# KiCad board Turbo_XT_Mainboard R3.kicad_pcb (continued)
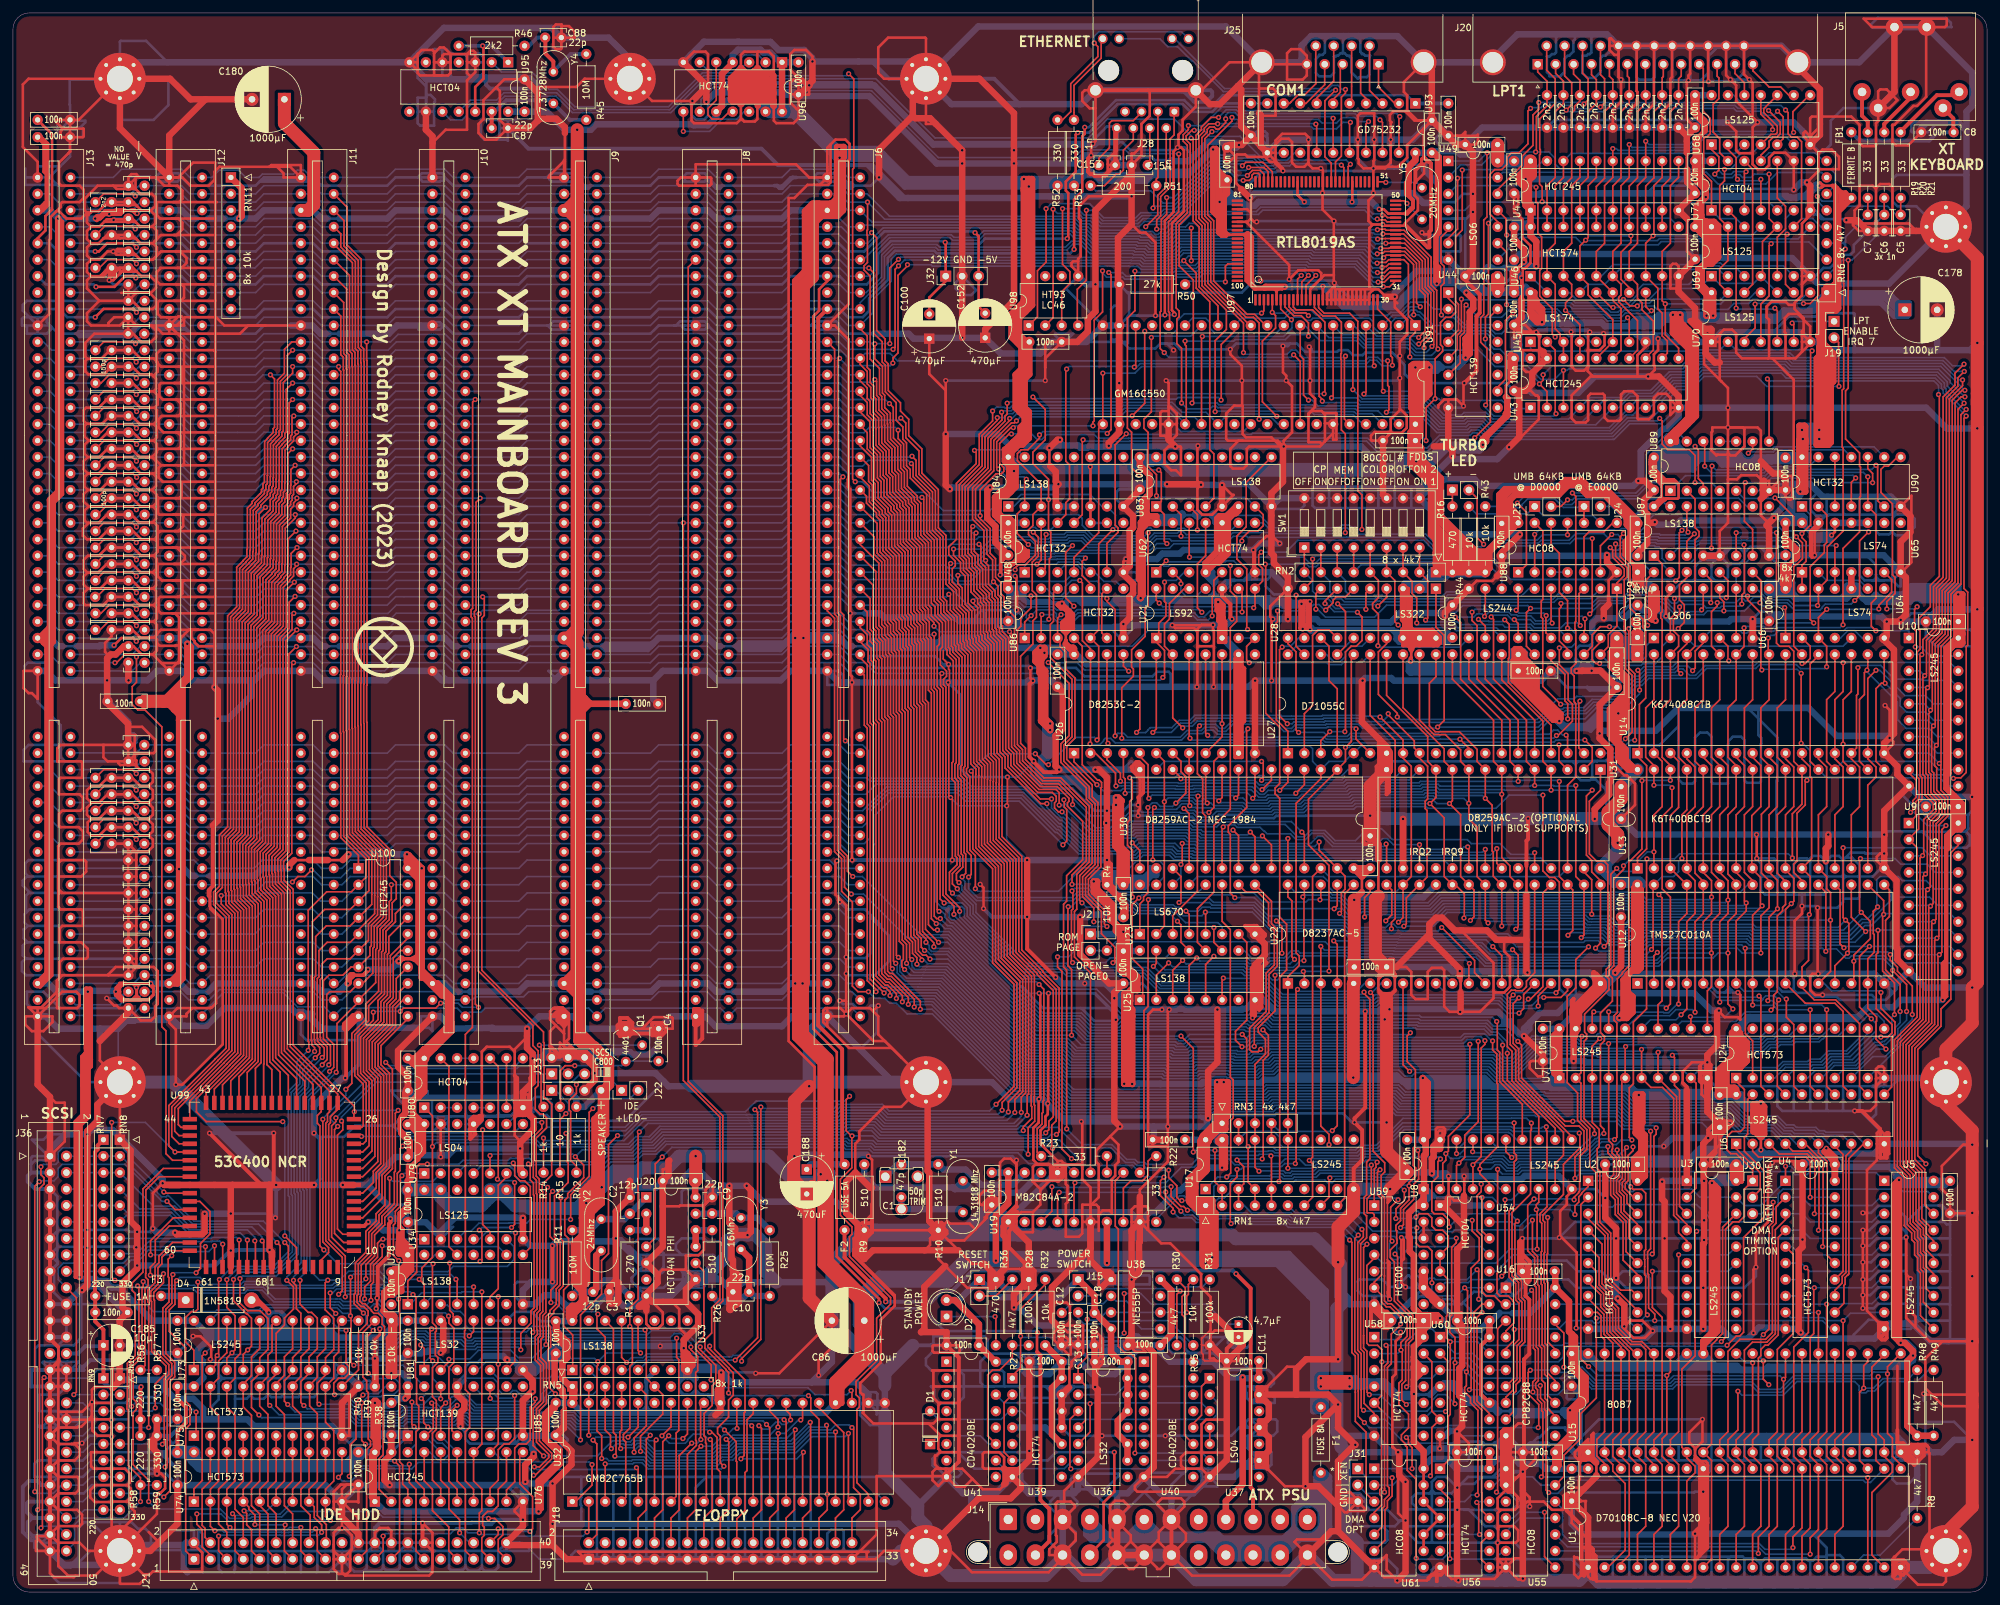
[diagram p0: board, top side]
## Routing (per net, layer and track width the routed paths; a pad name or vN(x,y) marks a point on that pad's centre or on a via; arc(x,y) is an arc through that point) (continued)
173.74,197.1 ; 172.15,195.52 172.15,192.86 171.97,193.04 170.56,193.04 ; 172.15,195.52 171.89,195.52 171.83,195.58 170.81,195.58 ; 241.3,127.76 240.92,128.14 240.92,128.27 ; 241.3,127.76 241.3,128.27 ; 241.3,127.76 241.3,126.11 242.06,125.35 243.46,125.35 243.84,125.73 ; 241.3,127.76 241.3,127.89 241.68,128.27 ; 7,6.24 7,3.92 7.11,3.81 8.89,3.81 10.16,5.08 10.16,7.75 ; 7,6.24 7,7.35 ; 102.11,195.58 102.36,195.58 103,196.22 106.81,196.22 107.31,195.71 ; 102.11,195.58 99.69,195.58 98.42,194.31 88.26,194.31 86.99,195.58 J9.10 82.93,195.58 ; 102.11,195.58 103.76,195.58 ; 264.82,93.11 264.92,93.01 264.92,92.58 ; 172.34,197.1 172.34,200.41 172.02,200.73 ; 172.34,197.1 170.81,195.58 ; 172.34,197.1 173.74,197.1 ; 218.88,45.59 218.83,45.65 ; 218.83,45.65 217.87,45.65 ; v1(247.14,126.75) 247.14,127.63 246.44,128.34 245.94,128.34 ; 280.03,5.71 280.03,6.86 277.88,9.02 275.08,9.02 ; 280.03,5.71 282.07,5.71 282.57,5.21 282.57,2.29 281.56,1.27 ; 280.03,5.71 280.03,5.33 ; 50.91,6.33 52.22,6.33 ; 50.91,6.33 49.51,6.33 ; 50.91,6.33 50.8,6.22 J21.19 ; 52.22,6.33 65.13,6.33 65.15,6.35 ; 52.22,6.33 52.22,7.47 ; 178.44,38.74 179.07,39.37 ; 178.44,38.74 178.44,39.37 ; 178.44,38.74 178.44,37.46 179,36.9 183.58,36.9 R31.1 ; 178.44,38.74 177.8,39.37 177.29,39.37 ; 179.07,39.37 178.44,39.37 ; 107.7,233.17 107.19,232.66 107.19,232.58 ; 170.81,195.58 170.81,193.8 170.43,193.42 169.54,193.42 169.54,198.12 170.05,198.63 170.43,198.63 170.81,198.25 170.81,195.58 ; v1(283.08,211.84) 282.9,212.02 279.6,212.02 ; 95.67,83 94.86,83.82 88.14,83.82 ; 290.13,92.39 290.83,93.09 290.83,93.98 U9.10 ; 290.13,92.39 290.13,92.77 U12.16 ; 111.76,17.78 110.62,17.78 ; 111.76,17.78 102.87,17.78 ; 111.76,17.78 112.9,17.78 ; 110.62,17.78 107.95,17.78 ; 110.62,17.78 110.47,17.63 110.47,5.44 110.11,5.08 ; 252.06,194.34 252.06,193.07 U45.8 ; 252.06,194.34 250.79,194.34 U45.8 ; 252.06,194.34 255.24,194.34 255.65,193.93 255.65,193.04 ; 287.65,157.1 287.65,156.59 ; 287.65,157.1 287.65,158.62 286.18,160.1 285.16,160.1 285.12,160.05 285.12,156.97 285.88,156.21 287.02,156.21 ; 287.65,157.1 287.65,156.72 287.85,156.53 ; 287.65,156.59 287.65,156.34 ; 287.65,156.59 287.27,156.21 287.02,156.21 ; C18.2 167.64,38.74 168.02,38.74 ; C18.2 170.69,38.1 ; 280.19,169.14 280.03,168.99 280.03,166.37 ; 203.2,170.69 205.74,170.69 ; 203.2,170.69 200.66,170.69 200.66,167.77 201.04,167.39 203.07,167.39 ; 203.2,170.69 203.2,167.51 203.07,167.39 ; 205.74,170.69 208.28,170.69 ; 205.74,170.69 205.74,167.51 205.61,167.39 ; 49.51,6.33 49.51,5.1 ; 46.86,3.05 48.77,3.05 49.4,3.68 ; 46.86,3.05 47.01,3.19 47.01,6.33 ; 46.86,3.05 44.45,3.05 ; 16.38,233.55 8.76,233.55 8.76,229.71 8.81,229.66 C151.2 ; 16.38,233.55 16.38,227.33 21.72,227.33 24,229.62 24,233.68 H1.1 ; 16.38,233.55 H1.1 ; U89.7 272.16,171.07 274.57,171.07 274.63,171.13 ; J36.1 5.59,67.31 4.95,66.68 3.43,66.68 2.79,66.04 ; J36.1 3.05,67.31 2.79,67.06 2.79,66.04 ; J36.1 5.46,67.31 2.92,69.85 4.7,69.85 5.53,70.68 9.2,70.68 ; 66.42,195.58 65.91,196.09 64.9,196.09 64.77,195.96 J10.10 66.42,195.58 ; 66.42,195.58 66.42,195.45 65.91,194.94 62.61,194.94 62.99,195.33 62.99,195.58 ; 66.42,195.58 66.67,195.58 67.94,194.31 78.1,194.31 79.38,195.58 82.55,195.58 ; 287.53,156.21 287.85,156.53 ; 287.53,156.21 287.02,156.21 ; 287.53,156.21 287.65,156.34 ; 287.85,156.53 288.16,156.21 ; 57.15,4.19 57.15,3.81 57.53,3.43 59.44,3.43 59.71,3.7 59.71,6.33 60.96,7.58 J21.28 ; 57.15,4.19 57.15,3.68 56.77,3.3 54.48,3.3 54.36,3.43 ; 57.15,4.19 57.15,6.35 J21.24 ; 156.08,31.75 155.83,31.5 155.83,29.97 161.04,29.97 ; 156.08,31.75 159.38,31.75 ; 156.08,31.75 153.16,31.75 ; 105.54,46.99 105.41,47.12 U20.9 ; 105.54,46.99 106.55,46.99 106.81,47.24 106.81,48.26 ; 105.54,46.99 104.14,46.99 ; 98.04,5.08 97.79,5.33 97.79,17.78 ; C147.2 C106.1 ; 170.69,38.1 170.43,38.1 168.02,35.69 ; 170.69,38.1 C16.2 ; 52.13,3.75 51.94,3.94 51.94,5.46 ; 52.13,3.75 52.7,3.18 54.1,3.18 54.36,3.43 ; 52.13,3.75 J21.19 ; 172.72,221.49 174.12,221.49 174.17,221.55 ; 172.72,221.49 C154.1 173.92,221.55 174.17,221.55 ; v1(210.19,224.28) 210.19,219.96 v1(210.06,219.84) ; U7.10 262.89,78.1 272.54,78.1 ; 173.44,39.37 174.12,39.37 ; 107.31,30.48 106.55,30.48 ; 107.31,30.48 107.31,30.35 107.88,29.79 107.88,29.53 108.2,29.21 U32.31 109.22,29.72 108.46,30.48 107.31,30.48 ; 106.55,30.48 106.3,30.48 ; 96.39,49.4 95.76,50.04 95.25,50.04 95.25,52.07 97.92,52.07 ; 96.39,49.4 95.5,48.51 95.5,48.01 96.65,46.86 ; 96.39,49.4 96.58,49.59 ; 118.11,17.78 115.57,17.78 ; 118.11,17.78 118.11,5.08 ; 118.11,17.78 120.65,17.78 ; 115.57,17.78 112.9,17.78 ; 190.63,19.05 192.4,19.05 ; C97.2 160.91,194.06 160.91,194.31 163.7,194.31 162.81,193.42 162.81,193.04 ; 161.99,36.76 158.13,36.76 C14.2 ; 161.99,36.76 161.93,36.83 C12.2 ; 161.99,36.76 164.27,36.76 ; C99.2 191.34,224.87 191.9,225.43 192.02,225.3 192.02,225.04 193.68,223.39 ; C99.2 191.13,224.79 ; 103.76,218.44 J8.1 107.31,218.44 108.58,217.17 118.75,217.17 120.01,218.44 123.57,218.44 ; 103.76,218.44 103.38,218.44 ; 103.76,218.44 103.76,217.93 103.63,217.81 106.81,217.81 107.06,218.06 107.06,218.82 106.81,219.07 104.01,219.07 103.38,218.44 ; 102.87,17.78 102.87,5.21 102.74,5.08 ; 102.87,17.78 100.33,17.78 ; v1(192.02,211.58) 192.15,211.71 v1(203.96,211.71) 204.46,211.21 211.45,211.21 v1(211.49,211.17) ; 23.26,32.79 23.26,31.14 22.22,30.1 18.29,30.1 17.4,29.21 12.32,29.21 v1(12.19,29.34) ; 24.7,22.92 23.75,21.97 23.75,20.7 25.4,19.05 25.4,16.59 ; 24.7,22.92 25.4,23.62 C177.2 24.97,26.75 23.49,25.27 22.22,25.27 ; 24.7,22.92 23.49,24.13 ; U15.1 244.47,20.32 244.86,20.32 ; U15.1 239.65,25.15 239.65,25.4 237.24,25.4 235.71,23.88 235.41,23.88 C64.2 ; 72.71,73.46 75.88,73.46 ; 72.71,73.46 72.39,73.14 72.39,72.64 71.12,71.37 71.12,71.12 ; C16.2 171.7,38.1 171.07,38.74 ; C16.2 172.85,38.1 174.12,39.37 ; C16.2 172.16,38.69 172.59,39.12 ; C16.2 169.84,35.77 ; 244.86,20.32 244.35,20.83 244.35,22.23 243.84,22.73 ; 96.65,46.86 U20.7 99.44,47.37 99.44,49.15 100.46,50.17 ; 96.65,46.86 96.65,45.08 96.9,44.83 ; 96.65,46.86 96.77,46.99 100.46,46.99 101.73,48.26 U20.9 ; 193.68,223.39 193.68,222.25 ; U87.8 269.88,161.29 270,161.42 272.41,161.42 ; U87.8 272.67,158.5 273.69,158.5 ; U87.8 269.75,161.42 268.23,161.42 267.65,160.84 ; 171.07,38.74 171.83,38.74 172.21,39.12 ; 171.07,38.74 168.66,38.74 ; 29.23,5.61 29.23,9.04 28.61,9.65 28.61,7.33 28.89,7.05 ; 2.29,102.87 1.78,103.38 1.78,104.65 2.03,104.9 ; 2.29,102.87 1.78,102.36 1.65,102.36 1.65,100.97 2.29,100.33 ; 2.29,102.87 C171.2 ; U84.8 172.72,166.37 173.1,166.37 173.86,167.13 173.86,170.13 C39.2 ; U84.8 170.43,168.66 170.43,169.93 170.77,170.26 C39.2 ; U84.8 171.45,167.72 C39.2 ; 31.75,33.66 32.38,33.02 ; 31.75,33.66 31.75,33.15 ; 32.38,33.02 31.75,32.38 31.75,32.25 ; 244.47,5.46 247.01,5.46 ; 244.47,5.46 244.47,5.21 ; 192.28,24.13 191.26,24.13 ; 192.28,24.13 193.93,24.13 ; 44.58,33.02 44.45,33.15 44.45,35.69 ; 44.58,33.02 42.16,33.02 ; 8.25,25.4 9.52,25.4 10.79,26.67 11.56,26.67 ; 8.25,25.4 6.98,25.4 ; 8.25,25.4 8.25,26.67 ; 280.03,5.33 280.03,1.91 279.4,1.27 ; 216.03,167.39 213.23,167.39 ; 274.95,78.1 272.54,78.1 ; 274.95,78.1 277.5,78.1 ; 274.95,78.1 274.95,74.42 275.08,74.3 ; 272.54,78.1 272.41,77.98 272.41,75.06 273.18,74.3 275.08,74.3 ; 223.58,16.7 224.66,17.78 228.47,17.78 229.74,19.05 U55.1 229.11,17.65 229.05,17.71 226.63,17.71 225.62,16.7 223.58,16.7 ; 223.58,16.7 v1(223.01,16.13) ; 153.16,31.75 151.38,31.75 ; 2.41,110.49 1.9,111 1.9,112.52 2.41,113.03 C167.1 ; 2.41,110.49 C168.1 ; 177.16,192.79 179.32,192.79 180.21,191.9 v1(187.96,191.9) 188.85,192.79 197.23,192.79 ; 177.16,192.79 176.4,192.02 172.34,192.02 171.32,193.04 170.56,193.04 ; 177.16,192.79 178.18,192.79 v1(179.2,191.77) ; 282.45,74.3 v1(284.35,74.3) 285.24,74.3 ; 282.45,74.3 282.57,74.42 282.57,78.1 ; 282.45,74.3 280.29,74.3 ; 106.3,30.48 105.79,30.48 105.41,30.86 105.41,31.24 ; 106.3,30.48 106.17,30.48 105.41,31.24 ; 228.6,204.6 228.73,204.47 229.87,204.47 ; 185.93,18.92 185.8,19.05 184.53,19.05 ; 185.93,18.92 186.18,19.18 ; 192.4,19.05 193.68,19.05 193.8,19.18 ; 296.58,151.09 296.54,151.13 294.89,151.13 ; 149.6,151.64 150.03,151.2 150.03,149.94 ; 149.6,151.64 148.59,150.62 148.64,150.57 148.64,149.94 ; J20.20 253.49,238.69 253.49,233.93 253.11,233.55 251.08,233.55 250.65,233.98 J20.19 ; 298.96,119.51 299.47,120.02 299.85,120.02 ; C59.2 6.86,224.66 6.86,227.2 11.18,227.2 11.18,226.95 10.37,226.14 ; C59.2 8.81,221.66 7.3,220.15 ; C59.2 10.79,224.66 10.79,225.93 10.59,226.14 10.37,226.14 ; C59.2 C151.2 ; 100.33,17.78 100.33,5.21 100.2,5.08 ; 100.33,17.78 97.79,17.78 ; 280.03,166.37 280.42,166.37 ; v1(93.09,54.61) 93.98,54.61 94.61,53.98 96.01,53.98 96.58,54.54 99.64,54.54 100.08,54.1 ; 274.95,110.49 274.95,107.82 275.08,107.7 ; 274.95,110.49 274.95,112.39 275.84,113.28 276.99,113.28 277.5,112.78 ; 274.95,110.49 272.8,110.49 ; 274.95,110.49 277.5,110.49 ; R8.1 295.27,22.86 295.27,25.91 ; R8.1 293.24,20.83 293.24,20.32 292.99,20.32 ; 205.61,167.39 208.28,167.39 ; 205.61,167.39 203.07,167.39 ; 208.28,167.39 210.82,167.39 ; 208.28,167.39 208.28,170.69 ; 75,73.86 74.93,73.93 74.93,76.07 75.16,76.3 ; 75,73.86 75.25,73.6 76.9,73.6 ; J31.3 207.64,10.54 208.03,10.16 211.45,10.16 ; J31.3 205.59,16.02 205.59,16.15 ; J31.3 208.91,12.7 209.3,12.7 ; J31.3 207.64,15.24 ; U81.7 80.01,34.29 81.15,35.43 ; 290.32,4.95 290.19,5.08 ; 290.32,4.95 U1.20 291.46,4.44 290.9,5.01 288.22,5.01 287.65,4.44 287.65,2.29 286.89,1.52 ; 290.32,4.95 290.32,1.54 290.31,1.52 ; C77.2 294.72,120.65 294.51,120.65 ; C77.2 296.62,120.02 299.85,120.02 ; C77.2 295.35,120.57 296.16,119.76 295.4,119.76 294.51,120.65 ; C77.2 295.1,121.54 293.62,121.54 ; 222.25,212.09 224.41,212.09 v1(225.43,213.11) ; 222.25,212.09 220.39,212.09 220.11,211.81 ; 173.74,197.1 v1(176.4,197.1) ; 123.19,195.58 120.01,195.58 118.75,194.31 108.58,194.31 107.31,195.58 ; 259.56,92.48 259.71,92.63 259.71,95.38 259.61,95.48 ; 168.02,35.69 168.02,38.74 ; 168.02,35.69 168.02,35.31 168.4,34.93 ; 272.54,107.7 272.41,107.82 272.41,109.6 ; 272.54,107.7 270.51,107.7 269.88,108.33 269.88,110.49 ; 272.54,107.7 275.08,107.7 ; 104.14,46.99 103.89,46.74 103.89,47.12 ; 104.14,46.99 U20.9 ; 259.71,156.46 259.97,156.21 261.75,156.21 262.25,156.72 ; 259.71,156.46 259.39,156.14 257.87,156.14 ; 273.69,158.5 273.69,158.24 273.81,158.37 274.45,158.37 276.05,159.97 276.05,160.1 ; 259.21,20.32 260.86,20.32 ; 259.21,20.32 257.18,20.32 ; 259.21,20.32 259.71,20.32 ; 260.86,20.32 262.38,20.32 ; 260.86,20.32 260.99,20.19 U1.33 ; 65.05,76.3 64.7,75.96 64.7,73.46 ; 250.32,1.52 249.56,2.29 249.56,5.46 ; 2.29,100.33 C172.2 ; 2.29,100.33 2.03,100.33 1.52,99.82 1.52,98.3 2.03,97.79 2.29,97.79 ; 25.65,218.95 25.53,219.07 22.61,219.07 21.97,218.44 21.72,218.44 ; U38.1 169.04,48.26 168.27,47.5 ; U38.1 168.91,48.26 168.27,48.89 ; U38.1 168.27,48.26 ; 219.07,15.62 219.07,17.02 219.84,17.78 221.36,17.78 v1(223.01,16.13) ; 219.07,15.62 219.07,7.75 219.13,7.69 ; 6.98,17.78 3.3,17.78 3.3,19.81 3.81,20.32 6.86,20.32 ; 212.09,128.78 212.6,128.27 240.92,128.27 ; 212.09,128.78 212.09,128.14 ; 212.09,128.78 U27.7 211.07,128.52 210.95,128.52 210.95,128.14 ; 240.92,128.27 241.3,128.27 ; 288.93,156.21 288.16,156.21 ; 288.93,156.21 290.19,156.21 ; 288.93,156.21 287.02,156.21 ; 288.16,156.21 288.04,156.34 287.65,156.34 ; 96.58,49.59 U20.5 ; 96.58,49.59 97.73,49.59 ; U20.5 97.79,49.66 97.73,49.59 ; U20.5 99.82,52.83 99.95,52.83 100.46,52.32 100.46,50.17 ; U20.5 95.19,53.4 94.3,53.4 ; U20.5 97.79,51.94 97.92,52.07 ; U20.5 97.92,50.8 99.12,49.59 ; C11.2 189.23,38.1 ; C11.2 190.88,39.37 191.13,39.12 ; C11.2 190.12,40.26 ; C11.2 184.66,39.37 ; C11.2 188.59,40 188.09,40 187.58,39.5 187.58,38.48 188.34,37.72 188.85,37.72 ; 189.23,38.1 188.85,37.72 ; 298.07,57.28 298.58,56.77 299.08,56.77 ; 298.07,57.28 297.89,57.45 297.89,59.69 ; 298.07,57.28 297.94,57.15 294.75,57.15 294.13,56.53 294.13,56.51 ; 104.14,33.02 104.65,33.02 ; 104.14,33.02 103.63,33.02 ; 104.14,33.02 U33.8 103.12,34.29 ; 104.65,33.02 105.41,32.26 ; 104.65,33.02 105.41,33.02 105.41,32.26 ; U45.8 252.6,193.55 v1(254,193.55) ; 107.95,17.78 107.06,17.78 105.43,16.15 105.43,5.19 105.54,5.08 ; 107.95,17.78 107.95,5.08 ; 67.63,73.46 67.24,73.46 ; 67.63,73.46 65.22,73.46 ; 67.24,73.46 67.24,72.7 ; 67.24,73.46 66.04,72.26 ; 208.28,170.69 210.82,170.69 ; 210.82,170.69 210.82,167.39 ; 210.82,170.69 213.36,170.69 ; 260.73,233.55 260.99,233.3 261.49,233.3 ; 260.73,233.55 261.74,234.56 261.74,238.76 ; U85.8 77.85,24.13 77.47,23.75 77.47,23.24 77.16,22.93 ; U85.8 77.54,22.93 ; U85.8 78.74,22.99 78.68,22.93 ; 210.82,167.39 213.23,167.39 ; 294.13,56.51 294.13,58.93 ; 294.13,56.51 294.13,54.61 ; 294.13,58.93 294.89,59.69 297.89,59.69 ; 123.19,17.78 120.65,17.78 ; 123.19,17.78 123.19,5.21 123.06,5.08 ; 123.19,17.78 U41.8 ; 120.65,17.78 120.65,5.21 120.78,5.08 ; 252.09,20.32 252.09,22.73 252.95,23.59 ; 252.09,20.32 254.63,20.32 ; J13.80 3.81,86.23 11.3,78.74 H2.1 ; 72.39,6.35 74.93,6.35 ; 72.39,6.35 72.41,6.33 72.41,3.66 ; 72.39,6.35 69.85,6.35 ; 74.93,6.35 76.07,6.35 ; 74.93,6.35 74.93,3.81 74.42,3.3 72.77,3.3 72.41,3.66 ; 74.93,6.35 J21.40 ; 182.88,19.05 183.51,18.42 183.51,18.29 ; 182.88,19.05 183.51,19.05 ; 182.88,19.05 181.48,19.05 180.72,18.29 180.59,18.29 ; 79.82,6.54 79.63,6.35 76.07,6.35 ; 130.94,83.69 130.94,83.95 133.35,86.36 133.35,90.3 v1(133.6,90.55) 132.46,90.55 132.08,90.17 130.3,90.17 129.67,90.81 128.14,90.81 v1(127.63,91.31) ; 290.19,167.64 U90.7 290.19,166.37 ; 290.19,167.64 290.19,166.37 ; 290.19,167.64 290.19,168.28 290.51,168.59 ; J13.10 1.9,195.58 ; J13.10 1.52,197.87 1.52,198.75 2.16,199.39 C122.2 ; J13.10 3.81,194.31 ; 1.9,195.58 2.16,195.33 2.16,194.31 3.81,194.31 ; 262.06,18.86 262.06,20.13 ; 262.06,18.86 262.06,18.73 261.62,18.29 260.22,18.29 259.97,18.54 259.97,19.3 ; 262.06,18.86 261.87,19.05 U1.33 ; 262.06,20.13 262.25,20.32 ; 262.06,20.13 U1.33 ; 211.45,10.16 212.22,9.4 212.22,8 211.84,7.62 207.64,7.62 207.55,7.72 ; 211.45,10.16 213.36,10.16 214.25,11.05 v1(215.01,11.05) ; 265.12,161.22 264.73,161.22 ; 47.01,6.33 44.47,6.33 ; 83.44,239.78 83.69,240.03 C88.2 ; 83.44,239.78 83.44,241.05 84.2,241.81 84.58,241.81 84.67,241.72 C88.2 ; 83.44,239.78 83.44,238.12 83.82,238.12 83.95,238.25 84.58,238.25 84.67,238.34 C88.2 ; 146.81,39.5 145.29,39.5 ; 146.81,39.5 149.99,39.5 150.5,38.99 150.5,36.96 150.62,36.83 ; 146.81,39.5 146.81,38.74 146.18,38.1 C78.2 ; 145.29,39.5 144.14,39.5 ; 145.29,39.5 145.54,39.5 146.56,38.48 146.56,37.59 145.92,36.96 143.89,36.96 ; 279.91,197.49 278.89,197.49 ; 279.91,197.49 282.45,197.49 ; 21.59,6.48 24.64,9.52 27.94,9.52 J21.2 28.32,7.62 28.89,7.05 ; 2.79,66.04 2.79,64.77 ; 194.06,157.48 194.06,156.72 193.68,156.34 193.42,156.34 ; 248.05,126.85 248.05,127.23 246.95,128.34 245.94,128.34 ; 248.05,126.85 246,124.79 246,122.68 ; 188.85,37.72 190.5,37.72 191.13,38.35 191.13,39.12 ; 150.62,36.83 154.56,36.83 ; 150.62,36.83 149.35,35.56 149.35,32.38 149.99,31.75 151.38,31.75 ; v1(276.31,54.44) 276.13,54.61 269.62,54.61 269.11,54.1 ; 272.41,109.6 272.41,110.24 272.67,110.49 272.8,110.49 ; 272.41,109.6 272.41,110.62 ; 75.11,225.99 75.11,224.59 74.8,224.28 ; 75.11,225.99 75.11,227.01 75.29,227.18 ; 261.49,233.3 261.73,233.3 v1(261.78,233.24) 261.78,237.17 263.37,238.76 J20.24 264.54,238.72 264.54,234.19 v1(265.18,233.55) ; 261.49,233.3 264.92,233.3 ; 174.69,15.43 175.7,16.45 175.96,16.45 ; 174.69,15.43 178.87,11.25 J14.7 178.87,11.87 182.25,15.24 ; 76.07,6.35 76.2,6.48 J21.40 ; 103.89,33.27 103.12,34.04 103.12,34.29 ; 103.89,33.27 103.38,33.27 ; 103.89,33.27 104.65,33.27 104.9,33.53 ; 128.14,6.35 128.27,6.48 128.27,9.4 128.02,9.65 126.37,9.65 125.73,9.02 125.73,6.35 ; 128.14,6.35 H8.1 ; 128.14,6.35 125.73,6.35 ; 103.38,33.27 102.94,33.71 102.94,34.11 103.12,34.29 ; 103.38,33.27 103.63,33.02 ; U20.9 105.41,49.53 ; U20.9 104.39,49.28 103.5,49.28 103.44,49.34 103.44,47.56 103.89,47.12 ; 269.11,39.88 268.86,39.88 v1(268.73,40) ; 105.41,31.24 105.41,32.26 ; 21.4,195.9 23.81,195.9 J12.10 ; J11.1 44.07,218.06 38.35,218.06 38.1,217.81 46.99,217.81 ; J11.1 46.35,218.44 46.61,218.19 ; J11.1 38.73,218.44 37.46,217.17 27.3,217.17 26.03,218.44 25.65,218.44 ; J11.1 44.7,218.19 46.61,218.19 ; 274.95,93.22 274.95,95.33 v1(275.11,95.48) ; 274.95,93.22 274.95,92.84 274.83,92.71 273.18,92.71 272.41,93.47 272.41,95.25 272.18,95.48 ; 257.2,95.48 257.2,92.86 256.82,92.48 ; 229.49,4.57 230,5.08 232.41,5.08 ; 165.32,31.72 163.78,31.72 163.78,31.57 162.18,29.97 161.04,29.97 ; 292.99,20.32 292.86,20.45 292.86,21.59 ; 292.99,20.32 291.59,20.32 ; 133.86,102.74 132.33,104.27 132.33,98.55 131.68,97.9 128.8,97.9 v1(128.65,98.04) ; 133.86,102.74 133.86,103.12 131.57,105.41 128.78,105.41 v1(127.63,106.55) ; C14.2 156.08,35.56 154.81,36.83 ; C14.2 156.93,35.23 157.35,34.8 158.62,34.8 159.38,35.56 ; C14.2 155.65,36.83 154.56,36.83 ; 221.49,207.01 220.39,207.01 220.11,206.73 ; 221.49,207.01 221.62,206.88 U49.7 ; 221.49,207.01 223.39,207.01 223.52,207.14 223.52,209.42 223.42,209.53 217.96,209.53 v1(217.55,209.93) ; 178.44,39.37 177.29,39.37 ; 54.36,3.43 54.63,3.7 54.63,6.12 55.88,7.37 J21.24 ; 278.89,197.49 279.28,197.87 281.56,197.87 281.94,197.49 282.45,197.49 ; 8.25,26.67 6.98,27.94 6.22,27.94 ; 8.25,26.67 8.25,27.94 ; 219.81,1.81 219.07,2.54 219.07,3.43 219.46,3.81 U56.7 ; 97.73,49.59 99.12,49.59 ; 99.12,49.59 99.44,49.28 100.2,49.28 100.46,49.53 100.46,50.17 ; J36.35 6.98,22.86 10.54,22.86 v1(10.67,22.99) 11.81,24.13 15.11,24.13 v1(15.24,24) ; 82.93,195.58 82.55,195.58 ; 82.93,195.58 82.93,195.71 83.44,196.22 86.61,196.22 86.87,195.96 86.87,195.45 86.36,194.94 83.18,194.94 82.55,195.58 ; 104.14,30.48 103.38,30.48 102.87,30.99 102.87,31.37 ; 104.14,30.48 103.63,30.48 102.87,31.24 102.87,31.37 ; 90.3,5.08 90.17,5.21 90.17,17.78 ; 21.34,218.44 21.84,218.44 22.48,217.81 25.4,217.81 25.65,218.06 25.65,218.44 ; 21.34,218.44 21.21,218.57 18.03,218.57 17.82,218.35 C129.2 6.98,217.17 6.86,217.3 ; 21.34,218.44 21.72,218.44 ; 287.78,91.44 287.02,92.2 v1(279.4,92.2) ; 269.75,1.52 269.88,1.65 269.88,4.32 ; 287.15,78.1 285.12,78.1 ; 285.12,78.1 285.12,74.42 285.24,74.3 ; 285.12,78.1 282.57,78.1 ; 178.82,221.11 176.23,221.11 176.23,221.15 175.84,221.55 174.17,221.55 ; U54.7 220.34,44.7 220.85,45.21 222.12,45.21 222.88,44.45 ; U54.7 222.88,44.45 ; U54.7 219.94,44.45 219.63,44.76 ; 191.52,31.75 190.37,31.75 190.37,30.86 190.5,30.73 190.5,29.97 191.26,29.21 191.52,29.21 ; 75.88,73.46 70.19,73.46 69.92,73.73 ; 75.88,73.46 76.77,73.46 76.9,73.6 ; 65.02,236.35 65.02,234.06 65.48,233.6 ; 65.02,236.35 65.02,238.25 ; 25.91,195.58 J12.10 ; 25.91,195.58 25.53,195.2 21.59,195.2 ; J12.10 24.26,195.58 24.64,195.96 25.91,195.96 ; U12.16 289.81,94.87 290.07,94.87 ; U12.16 288.93,95.63 289.31,95.63 290.07,94.87 ; 217.36,220.41 215.84,220.41 215.26,220.98 215.26,223.44 216.13,224.31 ; 217.36,220.41 216.79,219.84 213.23,219.84 ; 217.36,220.41 v1(217.87,220.92) ; v1(265.18,233.55) v1(268.1,233.55) ; v1(265.18,233.55) 264.92,233.3 ; 5.84,35.56 5.71,35.43 J36.27 ; 5.84,35.56 8.38,35.56 ; 5.84,35.56 4.7,35.56 4.57,35.43 J36.27 ; 210.19,45.72 212.34,45.72 212.56,45.5 v1(212.56,45.24) ; 210.19,45.72 U59.7 ; 210.19,45.72 208.41,45.72 207.64,46.48 207.64,48.01 207.9,48.26 211.45,48.26 212.6,47.12 213.61,47.12 ; 62.99,218.44 62.99,218.06 63.25,217.81 65.91,217.81 66.04,217.93 66.55,217.93 66.55,218.82 66.29,219.07 63.12,219.07 62.48,218.44 ; 62.99,218.44 62.48,218.44 ; v1(238.76,54.74) 238.63,54.61 238.25,54.61 ; v1(238.76,54.74) 238.25,54.61 ; v1(238.76,54.74) 241.17,57.15 260.86,57.15 v1(261.11,57.4) ; v1(238.76,54.74) 243.46,54.61 v1(247.52,54.61) v1(255.02,54.61) 260.86,54.61 v1(261.11,54.36) 261.37,54.61 268.6,54.61 269.11,54.1 ; 49.66,3.94 J21.19 ; 49.66,3.94 49.4,3.68 ; 49.66,3.94 49.51,4.08 49.51,5.1 ; J21.19 49.53,6.35 49.53,8.64 v1(50.8,9.91) ; J21.19 50.8,3.18 49.91,3.18 49.4,3.68 ; J21.19 49.53,5.08 49.51,5.1 ; J21.19 51.56,5.08 51.94,5.46 ; J21.19 51.94,6.22 ; 241.3,144.02 241.3,145.54 241.88,146.12 243.4,146.12 ; 168.02,38.74 168.66,38.74 ; 277.62,74.3 275.08,74.3 ; 277.62,74.3 277.5,74.42 277.5,78.1 ; 277.62,74.3 280.29,74.3 ; 25.65,218.44 J12.1 21.72,218.44 ; 128.52,217.55 127.63,218.44 127.38,218.44 ; 128.52,217.55 128.9,217.17 132.46,217.17 v1(133.73,218.44) ; 184.98,36.9 185.35,36.9 